# Allegro board STARRYSKY.brd (continued)
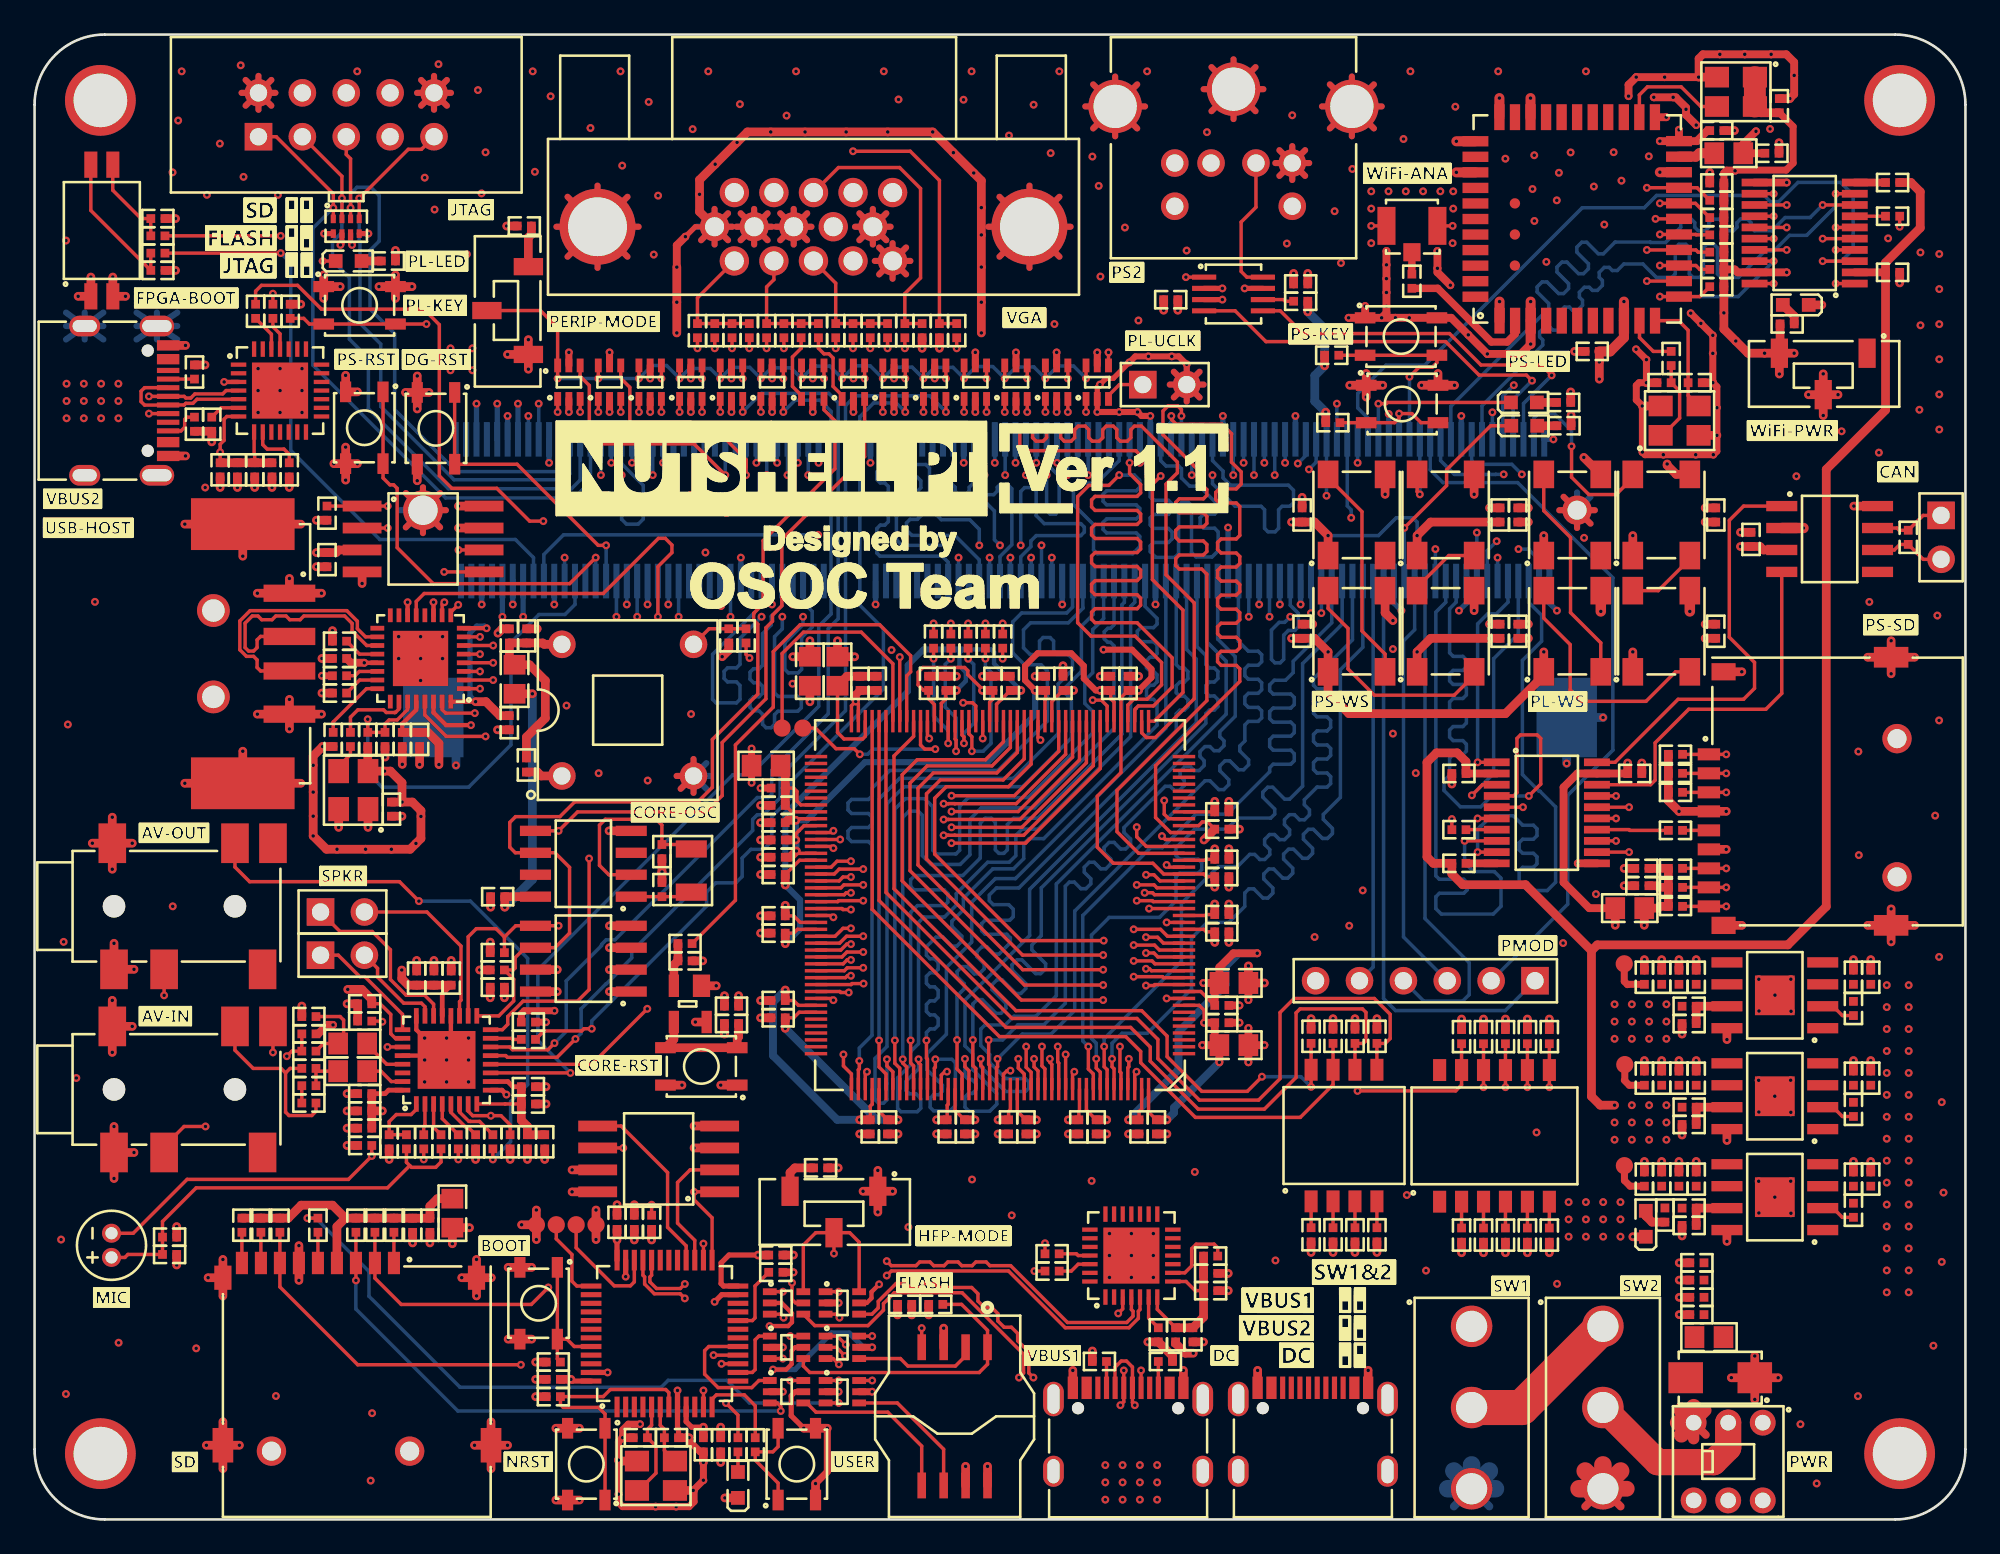
[diagram p0: board, top side]
## Library data of the parts
C1-C140 = CAPACITOR-NON-POL
D1 = TVS_DIODE_DOUBLE
F1 = FUSE
H1-H4 = FIXING-HOLE
J1 J3 J8 = USB_TYPEC
J2 = DIP8-4
J4 J6 = SD_MICRO
J5 = ACA-SPI-004-K02
J7 J15 J17 J19 = HEADER-2X1
J9 = HEADER-5X2
J10 = USB_STD_TYPEA
J11 = RF-IPEX-3PIN
J12 = HEADER-6X1
J13 = PS2
J14 = DE-15
J16 J18 = PJ-342
J20 = SODIMM-204
L1-L9 = MAGNETIC-BEAD
LED1-LED5 LED10 = LED
LED6-LED9 LED11-LED14 = WS2812C
MIC1 = MIC
R1-R133 = RESISTOR
RN1 = RESARR_IS_4
SW1 SW2 SW7 SW16 SW18 = SW-SLIDE-SPDT
SW3 = SW-KEY-LOCK-DPDT
SW4 = SW-DIP-4
SW5 = SW-DIP-6
SW6 SW8-SW11 SW13-SW15 SW17 = SW-KEY-4
SW12 = SW-DIP-2
TP1-TP9 = TEST_POINT
U1 U2 U4 = RT2515H
U3 = YSYX3-CHIP
U5 = MAX811SEUS
U6 U7 U9-U12 U25-U28 U30-U39 = WAS3157B
U8 U17 = CP2102
U13 = STM/CH32F103C8T6
U14 U24 = W25Q128JVSIQ
U15 = TJA1050
U16 U19 = TXS0108E
U18 = USB3320C
U20 = AP6212
U21 = AT24C64
U22 = TXS0102
U23 = PCF8563B
U29 = WM8960CGEFL/RV
X1 X4 = XTAL-CRY-4
X2 X3 = XTAL-OSC
X5 = XTAL-CRY-2

## Footprints (pads in the part's own frame, mm; a bottom-side part is the same pattern mirrored in y, then rotated)
ACA-SPI-004-K02-SM
  rect 0.5x1.5 smd: 1(1.905,4) 2(0.635,4) 3(-0.635,4) 4(-1.905,4) 5(-1.905,-4) 6(-0.635,-4) 7(0.635,-4) 8(1.905,-4)
AV-6-2R30X1R60-SM
  rect 2.3x1.6 smd: 2(-3.65,4.55) 3(3.65,4.65) 4(-3.65,1.65) 5(3.65,-2.45) 6(-3.65,-4.05) 7(3.65,-4.65)
  round 1.31 hole 1.3: 8(0,4.55) 9(0,-2.45)
C0402
  rect 0.51x0.51 smd: 1(-0.41,0) 2(0.41,0)
C0805
  rect 1.14x1.27 smd: 1(-0.84,0) 2(0.84,0)
DE-15-TM-RF
  round 1.7 hole 1.1: 1(4.581,1.98) 2(2.291,1.98) 3(0.001,1.98) 4(-2.289,1.98) 5(-4.579,1.98) 6(5.726,0) 7(3.436,0) 8(1.146,0) 9(-1.144,0) 10(-3.434,0) 11(4.581,-1.98) 12(2.291,-1.98) 13(0.001,-1.98) 14(-2.289,-1.98) 15(-4.579,-1.98)
  round 4.4 hole 3.4: 16(-12.5,0) 17(12.5,0)
DIP8-4-7R62X7R62
  round 1.6 hole 1: 1(-3.81,3.81) 4(-3.81,-3.81) 5(3.81,-3.81) 8(3.81,3.81)
DIP-SW-2-1R52X0R76-SM
  rect 0.76x1.52 smd: 1(-0.635,-3.81) 2(0.635,-3.81) 3(0.635,3.81) 4(-0.635,3.81)
DIP-SW-4-1R27X0R76-SM
  rect 0.76x1.27 smd: 1(-1.905,-3.81) 2(-0.635,-3.81) 3(0.635,-3.81) 4(1.905,-3.81) 5(1.905,3.81) 6(0.635,3.81) 7(-0.635,3.81) 8(-1.905,3.81)
DIP-SW-6-1R27X0R76-SM
  rect 0.76x1.27 smd: 1(-3.175,-3.81) 2(-1.905,-3.81) 3(-0.635,-3.81) 4(0.635,-3.81) 5(1.905,-3.81) 6(3.175,-3.81) 7(3.175,3.81) 8(1.905,3.81) 9(0.635,3.81) 10(-0.635,3.81) 11(-1.905,3.81) 12(-3.175,3.81)
HDR2X1-2R54-TM-VM
  rect 1.6x1.6 hole 1: 1(0,0)
  round 1.6 hole 1: 2(2.54,0)
HDR5X2-2R54-TM-VF
  rect 1.6x1.6 hole 1: 1(-5.08,-1.27)
  round 1.6 hole 1: 2(-5.08,1.27) 3(-2.54,-1.27) 4(-2.54,1.27) 5(0,-1.27) 6(0,1.27) 7(2.54,-1.27) 8(2.54,1.27) 9(5.08,-1.27) 10(5.08,1.27)
HDR6X1-2R54-TM-VM
  rect 1.6x1.6 hole 1: 1(0,0)
  round 1.6 hole 1: 2(2.54,0) 3(5.08,0) 4(7.62,0) 5(10.16,0) 6(12.7,0)
HOLE-3R10-4R10
  round 4.1 hole 3.1: 1(0,0)
IPEX-3-2R95-SM-VF
  rect 1x1.05 smd: 1(0,-1.525)
  rect 1.05x2.2 smd: 2(-1.475,0) 3(1.475,0)
L0805
  rect 1.14x1.27 smd: 1(-0.84,0) 2(0.84,0)
LED0603
  rect 0.8x0.8 smd: 1(0.75,0) 2(-0.75,0)
LED5050
  rect 1.6x1.2 smd: 1(-2.35,1.65) 2(-2.35,-1.65) 3(2.35,-1.65) 4(2.35,1.65)
LQFP-48-1R20X0R30
  rect 0.3x1.2 smd: 1(-2.75,-4.25) 2(-2.25,-4.25) 3(-1.75,-4.25) 4(-1.25,-4.25) 5(-0.75,-4.25) 6(-0.25,-4.25) 7(0.25,-4.25) 8(0.75,-4.25) 9(1.25,-4.25) 10(1.75,-4.25) 11(2.25,-4.25) 12(2.75,-4.25) 25(2.75,4.25) 26(2.25,4.25) 27(1.75,4.25) 28(1.25,4.25) 29(0.75,4.25) 30(0.25,4.25) 31(-0.25,4.25) 32(-0.75,4.25) 33(-1.25,4.25) 34(-1.75,4.25) 35(-2.25,4.25) 36(-2.75,4.25)
  rect 1.2x0.3 smd: 13(4.25,-2.75) 14(4.25,-2.25) 15(4.25,-1.75) 16(4.25,-1.25) 17(4.25,-0.75) 18(4.25,-0.25) 19(4.25,0.25) 20(4.25,0.75) 21(4.25,1.25) 22(4.25,1.75) 23(4.25,2.25) 24(4.25,2.75) 37(-4.25,2.75) 38(-4.25,2.25) 39(-4.25,1.75) 40(-4.25,1.25) 41(-4.25,0.75) 42(-4.25,0.25) 43(-4.25,-0.25) 44(-4.25,-0.75) 45(-4.25,-1.25) 46(-4.25,-1.75) 47(-4.25,-2.25) 48(-4.25,-2.75)
LQFP-176-1R30X0R20
  rect 0.2x1.3 smd: 1(-8.6,-10.65) 2(-8.2,-10.65) 3(-7.8,-10.65) 4(-7.4,-10.65) 5(-7,-10.65) 6(-6.6,-10.65) 7(-6.2,-10.65) 8(-5.8,-10.65) 9(-5.4,-10.65) 10(-5,-10.65) 11(-4.6,-10.65) 12(-4.2,-10.65) 13(-3.8,-10.65) 14(-3.4,-10.65) 15(-3,-10.65) 16(-2.6,-10.65) 17(-2.2,-10.65) 18(-1.8,-10.65) 19(-1.4,-10.65) 20(-1,-10.65) 21(-0.6,-10.65) 22(-0.2,-10.65) 23(0.2,-10.65) 24(0.6,-10.65) 25(1,-10.65) 26(1.4,-10.65) 27(1.8,-10.65) 28(2.2,-10.65) 29(2.6,-10.65) 30(3,-10.65) 31(3.4,-10.65) 32(3.8,-10.65) 33(4.2,-10.65) 34(4.6,-10.65) 35(5,-10.65) 36(5.4,-10.65) 37(5.8,-10.65) 38(6.2,-10.65) 39(6.6,-10.65) 40(7,-10.65) 41(7.4,-10.65) 42(7.8,-10.65) 43(8.2,-10.65) 44(8.6,-10.65) 89(8.6,10.65) 90(8.2,10.65) 91(7.8,10.65) 92(7.4,10.65) 93(7,10.65) 94(6.6,10.65) 95(6.2,10.65) 96(5.8,10.65) 97(5.4,10.65) 98(5,10.65) 99(4.6,10.65) 100(4.2,10.65) 101(3.8,10.65) 102(3.4,10.65) 103(3,10.65) 104(2.6,10.65) 105(2.2,10.65) 106(1.8,10.65) 107(1.4,10.65) 108(1,10.65) 109(0.6,10.65) 110(0.2,10.65) 111(-0.2,10.65) 112(-0.6,10.65) 113(-1,10.65) 114(-1.4,10.65) 115(-1.8,10.65) 116(-2.2,10.65) 117(-2.6,10.65) 118(-3,10.65) 119(-3.4,10.65) 120(-3.8,10.65) 121(-4.2,10.65) 122(-4.6,10.65) 123(-5,10.65) 124(-5.4,10.65) 125(-5.8,10.65) 126(-6.2,10.65) 127(-6.6,10.65) 128(-7,10.65) 129(-7.4,10.65) 130(-7.8,10.65) 131(-8.2,10.65) 132(-8.6,10.65)
  rect 1.3x0.2 smd: 45(10.65,-8.6) 46(10.65,-8.2) 47(10.65,-7.8) 48(10.65,-7.4) 49(10.65,-7) 50(10.65,-6.6) 51(10.65,-6.2) 52(10.65,-5.8) 53(10.65,-5.4) 54(10.65,-5) 55(10.65,-4.6) 56(10.65,-4.2) 57(10.65,-3.8) 58(10.65,-3.4) 59(10.65,-3) 60(10.65,-2.6) 61(10.65,-2.2) 62(10.65,-1.8) 63(10.65,-1.4) 64(10.65,-1) 65(10.65,-0.6) 66(10.65,-0.2) 67(10.65,0.2) 68(10.65,0.6) 69(10.65,1) 70(10.65,1.4) 71(10.65,1.8) 72(10.65,2.2) 73(10.65,2.6) 74(10.65,3) 75(10.65,3.4) 76(10.65,3.8) 77(10.65,4.2) 78(10.65,4.6) 79(10.65,5) 80(10.65,5.4) 81(10.65,5.8) 82(10.65,6.2) 83(10.65,6.6) 84(10.65,7) 85(10.65,7.4) 86(10.65,7.8) 87(10.65,8.2) 88(10.65,8.6) 133(-10.65,8.6) 134(-10.65,8.2) 135(-10.65,7.8) 136(-10.65,7.4) 137(-10.65,7) 138(-10.65,6.6) 139(-10.65,6.2) 140(-10.65,5.8) 141(-10.65,5.4) 142(-10.65,5) 143(-10.65,4.6) 144(-10.65,4.2) 145(-10.65,3.8) 146(-10.65,3.4) 147(-10.65,3) 148(-10.65,2.6) 149(-10.65,2.2) 150(-10.65,1.8) 151(-10.65,1.4) 152(-10.65,1) 153(-10.65,0.6) 154(-10.65,0.2) 155(-10.65,-0.2) 156(-10.65,-0.6) 157(-10.65,-1) 158(-10.65,-1.4) 159(-10.65,-1.8) 160(-10.65,-2.2) 161(-10.65,-2.6) 162(-10.65,-3) 163(-10.65,-3.4) 164(-10.65,-3.8) 165(-10.65,-4.2) 166(-10.65,-4.6) 167(-10.65,-5) 168(-10.65,-5.4) 169(-10.65,-5.8) 170(-10.65,-6.2) 171(-10.65,-6.6) 172(-10.65,-7) 173(-10.65,-7.4) 174(-10.65,-7.8) 175(-10.65,-8.2) 176(-10.65,-8.6)
MIC-2-TM
  round 1.1 hole 0.7: 1(-0.7,0) 2(0.7,0)
PS2-6-TM-VF
  round 1.6 hole 1: 1(-1.3,0.888) 2(1.3,0.888) 3(-3.4,0.888) 4(3.4,0.888) 5(-3.4,3.388) 6(3.4,3.388)
  round 3.1 hole 2.5: 7(0,-3.388) 8(-6.85,-2.39) 9(6.85,-2.39)
QFN-28-0R90X0R25
  rect 0.9x0.25 smd: 1(-2.4,1.5) 2(-2.4,1) 3(-2.4,0.5) 4(-2.4,0) 5(-2.4,-0.5) 6(-2.4,-1) 7(-2.4,-1.5) 15(2.4,-1.5) 16(2.4,-1) 17(2.4,-0.5) 18(2.4,0) 19(2.4,0.5) 20(2.4,1) 21(2.4,1.5)
  rect 0.25x0.9 smd: 8(-1.5,-2.4) 9(-1,-2.4) 10(-0.5,-2.4) 11(0,-2.4) 12(0.5,-2.4) 13(1,-2.4) 14(1.5,-2.4) 22(1.5,2.4) 23(1,2.4) 24(0.5,2.4) 25(0,2.4) 26(-0.5,2.4) 27(-1,2.4) 28(-1.5,2.4)
  rect 3.25x3.25 smd: 29(0,0)
QFN-32-0R80X0R28
  rect 0.8x0.28 smd: 1(-2.5,1.75) 2(-2.5,1.25) 3(-2.5,0.75) 4(-2.5,0.25) 5(-2.5,-0.25) 6(-2.5,-0.75) 7(-2.5,-1.25) 8(-2.5,-1.75) 17(2.5,-1.75) 18(2.5,-1.25) 19(2.5,-0.75) 20(2.5,-0.25) 21(2.5,0.25) 22(2.5,0.75) 23(2.5,1.25) 24(2.5,1.75)
  rect 0.28x0.8 smd: 9(-1.75,-2.5) 10(-1.25,-2.5) 11(-0.75,-2.5) 12(-0.25,-2.5) 13(0.25,-2.5) 14(0.75,-2.5) 15(1.25,-2.5) 16(1.75,-2.5) 25(1.75,2.5) 26(1.25,2.5) 27(0.75,2.5) 28(0.25,2.5) 29(-0.25,2.5) 30(-0.75,2.5) 31(-1.25,2.5) 32(-1.75,2.5)
  rect 3.2x3.2 smd: 33(0,0)
QFN-32-0R90X0R28
  rect 0.9x0.28 smd: 1(-2.55,1.75) 2(-2.55,1.25) 3(-2.55,0.75) 4(-2.55,0.25) 5(-2.55,-0.25) 6(-2.55,-0.75) 7(-2.55,-1.25) 8(-2.55,-1.75) 17(2.55,-1.75) 18(2.55,-1.25) 19(2.55,-0.75) 20(2.55,-0.25) 21(2.55,0.25) 22(2.55,0.75) 23(2.55,1.25) 24(2.55,1.75)
  rect 0.28x0.9 smd: 9(-1.75,-2.55) 10(-1.25,-2.55) 11(-0.75,-2.55) 12(-0.25,-2.55) 13(0.25,-2.55) 14(0.75,-2.55) 15(1.25,-2.55) 16(1.75,-2.55) 25(1.75,2.55) 26(1.25,2.55) 27(0.75,2.55) 28(0.25,2.55) 29(-0.25,2.55) 30(-0.75,2.55) 31(-1.25,2.55) 32(-1.75,2.55)
  rect 3.35x3.35 smd: 33(0,0)
QFN-44-1R50X0R60-TP
  rect 1.5x0.6 smd: 1(-5.89,4.496) 2(-5.89,3.596) 3(-5.89,2.696) 4(-5.89,1.796) 5(-5.89,0.896) 6(-5.89,-0.004) 7(-5.89,-0.904) 8(-5.89,-1.804) 9(-5.89,-2.704) 10(-5.89,-3.604) 11(-5.89,-4.504) 23(5.89,-4.496) 24(5.89,-3.596) 25(5.89,-2.696) 26(5.89,-1.796) 27(5.89,-0.896) 28(5.89,0.004) 29(5.89,0.904) 30(5.89,1.804) 31(5.89,2.704) 32(5.89,3.604) 33(5.89,4.504)
  rect 0.6x1.5 smd: 12(-4.496,-5.89) 13(-3.596,-5.89) 14(-2.696,-5.89) 15(-1.796,-5.89) 16(-0.896,-5.89) 17(0.004,-5.89) 18(0.904,-5.89) 19(1.804,-5.89) 20(2.704,-5.89) 21(3.604,-5.89) 22(4.504,-5.89) 34(4.496,5.89) 35(3.596,5.89) 36(2.696,5.89) 37(1.796,5.89) 38(0.896,5.89) 39(-0.004,5.89) 40(-0.904,5.89) 41(-1.804,5.89) 42(-2.704,5.89) 43(-3.604,5.89) 44(-4.504,5.89)
  round 0.6 smd: 45(-2.7,3.607) 46(-0.9,3.607) 47(0.9,3.607)
R0402
  rect 0.51x0.51 smd: 1(-0.41,0) 2(0.41,0)
RA-4-0402
  rect 0.3x0.5 smd: 1(-0.75,0.427) 2(-0.25,0.427) 3(0.25,0.427) 4(0.75,0.427) 5(0.75,-0.427) 6(0.25,-0.427) 7(-0.25,-0.427) 8(-0.75,-0.427)
SD-MICRO-9-SM
  rect 0.7x1.3 smd: 1(0,0) 2(-1.1,0) 3(-2.2,0) 4(-3.3,0) 5(-4.4,0) 6(-5.5,0) 7(-6.6,0) 8(-7.7,0) 9(-8.8,0)
  rect 1x1.4 smd: 10(-9.9,-0.85) 11(4.78,-0.85)
  rect 1.2x2 smd: 12(-9.9,-10.55) 13(5.62,-10.55)
  round 1.7 hole 1.1: 14(-7.09,-10.89) 15(0.91,-10.89)
SMA-2R00X1R80
  rect 2x1.8 smd: 1(-2,0) 2(2,0)
SODIMM-204-2R00X0R35
  rect 2x0.35 smd: 1(-4.1,31.5) 2(4.1,31.2) 3(-4.1,30.9) 4(4.1,30.6) 5(-4.1,30.3) 6(4.1,30) 7(-4.1,29.7) 8(4.1,29.4) 9(-4.1,29.1) 10(4.1,28.8) 11(-4.1,28.5) 12(4.1,28.2) 13(-4.1,27.9) 14(4.1,27.6) 15(-4.1,27.3) 16(4.1,27) 17(-4.1,26.7) 18(4.1,26.4) 19(-4.1,26.1) 20(4.1,25.8) 21(-4.1,25.5) 22(4.1,25.2) 23(-4.1,24.9) 24(4.1,24.6) 25(-4.1,24.3) 26(4.1,24) 27(-4.1,23.7) 28(4.1,23.4) 29(-4.1,23.1) 30(4.1,22.8) 31(-4.1,22.5) 32(4.1,22.2) 33(-4.1,21.9) 34(4.1,21.6) 35(-4.1,21.3) 36(4.1,21) 37(-4.1,20.7) 38(4.1,20.4) 39(-4.1,20.1) 40(4.1,19.8) 41(-4.1,19.5) 42(4.1,19.2) 43(-4.1,18.9) 44(4.1,18.6) 45(-4.1,18.3) 46(4.1,18) 47(-4.1,17.7) 48(4.1,17.4) 49(-4.1,17.1) 50(4.1,16.8) 51(-4.1,16.5) 52(4.1,16.2) 53(-4.1,15.9) 54(4.1,15.6) 55(-4.1,15.3) 56(4.1,15) 57(-4.1,14.7) 58(4.1,14.4) 59(-4.1,14.1) 60(4.1,13.8) 61(-4.1,13.5) 62(4.1,13.2) 63(-4.1,12.9) 64(4.1,12.6) 65(-4.1,12.3) 66(4.1,12) 67(-4.1,11.7) 68(4.1,11.4) 69(-4.1,11.1) 70(4.1,10.8) 71(-4.1,10.5) 72(4.1,10.2) 73(-4.1,7.5) 74(4.1,7.2) 75(-4.1,6.9) 76(4.1,6.6) 77(-4.1,6.3) 78(4.1,6) 79(-4.1,5.7) 80(4.1,5.4) 81(-4.1,5.1) 82(4.1,4.8) 83(-4.1,4.5) 84(4.1,4.2) 85(-4.1,3.9) 86(4.1,3.6) 87(-4.1,3.3) 88(4.1,3) 89(-4.1,2.7) 90(4.1,2.4) 91(-4.1,2.1) 92(4.1,1.8) 93(-4.1,1.5) 94(4.1,1.2) 95(-4.1,0.9) 96(4.1,0.6) 97(-4.1,0.3) 98(4.1,0) 99(-4.1,-0.3) 100(4.1,-0.6) 101(-4.1,-0.9) 102(4.1,-1.2) 103(-4.1,-1.5) 104(4.1,-1.8) 105(-4.1,-2.1) 106(4.1,-2.4) 107(-4.1,-2.7) 108(4.1,-3) 109(-4.1,-3.3) 110(4.1,-3.6) 111(-4.1,-3.9) 112(4.1,-4.2) 113(-4.1,-4.5) 114(4.1,-4.8) 115(-4.1,-5.1) 116(4.1,-5.4) 117(-4.1,-5.7) 118(4.1,-6) 119(-4.1,-6.3) 120(4.1,-6.6) 121(-4.1,-6.9) 122(4.1,-7.2) 123(-4.1,-7.5) 124(4.1,-7.8) 125(-4.1,-8.1) 126(4.1,-8.4) 127(-4.1,-8.7) 128(4.1,-9) 129(-4.1,-9.3) 130(4.1,-9.6) 131(-4.1,-9.9) 132(4.1,-10.2) 133(-4.1,-10.5) 134(4.1,-10.8) 135(-4.1,-11.1) 136(4.1,-11.4) 137(-4.1,-11.7) 138(4.1,-12) 139(-4.1,-12.3) 140(4.1,-12.6) 141(-4.1,-12.9) 142(4.1,-13.2) 143(-4.1,-13.5) 144(4.1,-13.8) 145(-4.1,-14.1) 146(4.1,-14.4) 147(-4.1,-14.7) 148(4.1,-15) 149(-4.1,-15.3) 150(4.1,-15.6) 151(-4.1,-15.9) 152(4.1,-16.2) 153(-4.1,-16.5) 154(4.1,-16.8) 155(-4.1,-17.1) 156(4.1,-17.4) 157(-4.1,-17.7) 158(4.1,-18) 159(-4.1,-18.3) 160(4.1,-18.6) 161(-4.1,-18.9) 162(4.1,-19.2) 163(-4.1,-19.5) 164(4.1,-19.8) 165(-4.1,-20.1) 166(4.1,-20.4) 167(-4.1,-20.7) 168(4.1,-21) 169(-4.1,-21.3) 170(4.1,-21.6) 171(-4.1,-21.9) 172(4.1,-22.2) 173(-4.1,-22.5) 174(4.1,-22.8) 175(-4.1,-23.1) 176(4.1,-23.4) 177(-4.1,-23.7) 178(4.1,-24) 179(-4.1,-24.3) 180(4.1,-24.6) 181(-4.1,-24.9) 182(4.1,-25.2) 183(-4.1,-25.5) 184(4.1,-25.8) 185(-4.1,-26.1) 186(4.1,-26.4) 187(-4.1,-26.7) 188(4.1,-27) 189(-4.1,-27.3) 190(4.1,-27.6) 191(-4.1,-27.9) 192(4.1,-28.2) 193(-4.1,-28.5) 194(4.1,-28.8) 195(-4.1,-29.1) 196(4.1,-29.4) 197(-4.1,-29.7) 198(4.1,-30) 199(-4.1,-30.3) 200(4.1,-30.6) 201(-4.1,-30.9) 202(4.1,-31.2) 203(-4.1,-31.5) 204(4.1,-31.8)
  rect 4.6x3.5 smd: MP1(12,32.8) MP2(12,-32.8)
  round 2.3 hole 1.7: MP3(0,33.4)
  round 1.7 hole 1.1: MP4(0,-33.4)
SOIC-8-1R40X0R30
  rect 1.4x0.3 smd: 1(-1.7,0.975) 2(-1.7,0.325) 3(-1.7,-0.325) 4(-1.7,-0.975) 5(1.7,-0.975) 6(1.7,-0.325) 7(1.7,0.325) 8(1.7,0.975)
SOIC-8-1R80X0R60
  rect 0.6x1.8 smd: 1(-1.905,-2.772) 2(-0.635,-2.772) 3(0.635,-2.772) 4(1.905,-2.772) 5(1.905,2.772) 6(0.635,2.772) 7(-0.635,2.772) 8(-1.905,2.772)
SOIC-8-1R80X0R60-THRM
  rect 0.6x1.8 smd: 1(-1.905,-2.772) 2(-0.635,-2.772) 3(0.635,-2.772) 4(1.905,-2.772) 5(1.905,2.772) 6(0.635,2.772) 7(-0.635,2.772) 8(-1.905,2.772)
  rect 2.3x2.3 smd: 9(0,0)
SOIC-8-2R25X0R63
  rect 0.63x2.25 smd: 1(-1.905,-3.53) 2(-0.635,-3.53) 3(0.635,-3.53) 4(1.905,-3.53) 5(1.905,3.53) 6(0.635,3.53) 7(-0.635,3.53) 8(-1.905,3.53)
SOT-143-4-1R30X0R60
  rect 1x1.3 smd: 1(-0.8,-1.05)
  rect 0.6x1.3 smd: 2(0.8,-1.05) 3(0.8,1.05) 4(-1.1,1.05)
SOT-363-6-0R80X0R40
  rect 0.4x0.8 smd: 1(-0.65,-0.97) 2(0,-0.97) 3(0.65,-0.97) 4(0.65,0.97) 5(0,0.97) 6(-0.65,0.97)
SW-3-1R70X1R00-J-SM
  rect 1x1.7 smd: 1(-2.54,-1.2) 2(0,1.2) 3(2.54,-1.2)
SW-3-12R7X6R6
  round 2.4 hole 1.8: 1(0,4.7) 2(0,0) 3(0,-4.7)
SW-4-1R20X0R65-SM
  rect 1.2x0.65 smd: 1(-2.078,1.083) 2(2.077,1.083) 3(-2.078,-1.083) 4(2.077,-1.083)
SW-6-LOCK-DPDT-TM
  round 1.5 hole 0.9: 1(-2,-2.25) 2(0,-2.25) 3(2,-2.25) 4(-2,2.25) 5(0,2.25) 6(2,2.25)
TP1X1-1R00-SM
  round 1 smd: 1(0,0)
TSSOP-20-1R50X0R45
  rect 1.5x0.45 smd: 1(-2.9,2.925) 2(-2.9,2.275) 3(-2.9,1.625) 4(-2.9,0.975) 5(-2.9,0.325) 6(-2.9,-0.325) 7(-2.9,-0.975) 8(-2.9,-1.625) 9(-2.9,-2.275) 10(-2.9,-2.925) 11(2.9,-2.925) 12(2.9,-2.275) 13(2.9,-1.625) 14(2.9,-0.975) 15(2.9,-0.325) 16(2.9,0.325) 17(2.9,0.975) 18(2.9,1.625) 19(2.9,2.275) 20(2.9,2.925)
USB-STD-TYPEA-4-SM
  rect 1x3 smd: 1(-3.5,0) 2(-1,0) 3(1,0) 4(3.5,0)
  rect 3x6 smd: 5(-7.5,-2.7) 6(7.5,-2.7)
  round 1.9 hole 1.3: 7(-2.5,-4.4) 8(2.5,-4.4)
USB-TYPEC-12-SM
  oval 1.2x2 hole 0.7x1.7: 1(-4.32,1.765) 2(4.32,1.765)
  oval 1.2x1.8 hole 0.7x1.4: 3(-4.32,-2.415) 4(4.32,-2.415)
  round 0.71 hole 0.7: 5(-2.9,1.235) 6(2.9,1.235)
  rect 0.6x1.3 smd: A1B12(-3.2,2.415) A4B9(-2.4,2.415) B1A12(3.2,2.415) B4A9(2.4,2.415)
  rect 0.3x1.3 smd: A5(-1.25,2.415) A6(-0.25,2.415) A7(0.25,2.415) A8(1.25,2.415) B5(1.75,2.415) B6(0.75,2.415) B7(-0.75,2.415) B8(-1.75,2.415)
XTAL-2-3R20X1R50-SM
  rect 1x1.8 smd: 1(-1.25,0) 2(1.25,0)
XTAL-4-3R20X2R50-SM
  rect 1.4x1.2 smd: 1(-1.1,-0.85) 2(1.1,-0.85) 3(1.1,0.85) 4(-1.1,0.85)

## Nets
5V_DC: J3.A4B9(VBUS#A4B9) J3.B4A9(VBUS#B4A9) SW2.3
5V_IN: C5.1 C6.1 C13.1 C15.1 C19.1 C20.1 C22.1 C23.1 C24.1 C25.1 C80.2 C102.1 C103.1 C104.1 C105.1 C110.1 C117.1 C118.1 C119.1 C120.1 F1.2 J10.1(VCC) J13.4 J20.1 J20.2 J20.3 J20.4 LED6.1(VDD) LED7.1(VDD) LED8.1(VDD) LED9.1(VDD) LED11.1(VDD) LED12.1(VDD) LED13.1(VDD) LED14.1(VDD) R4.1 R11.1 R13.1 R42.1 R43.1 R76.1 R77.1 R82.2 R127.1 U1.3(VIN) U2.3(VIN) U4.3(VIN) U15.3(VCC) U22.7(VCCB)
5V_VBUS1: J1.A4B9(VBUS#A4B9) J1.B4A9(VBUS#B4A9) SW1.1
5V_VBUS2: J8.A4B9(VBUS#A4B9) J8.B4A9(VBUS#B4A9) SW1.3
AGND: C121.2 C122.2 C123.1 C124.1 C125.1 C126.2 C127.2 C128.2 C132.1 C133.1 C134.1 C135.2 C140.1 J16.2 J16.3 J18.2 J18.3 R122.1 R125.2 R131.2 R133.2 U29.20(SPKGND2) U29.24(SPKGND1) U29.28(AGND) U29.33(GND_PADDLE)
AVCC_3V3: C121.1 C122.1 R121.1 R128.2 U29.32(AVDD)
GND: C1.2 C2.2 C3.2 C4.2 C5.2 C6.2 C7.2 C8.2 C9.2 C10.2 C11.2 C12.2 C13.2 C14.2 C15.2 C16.2 C17.2 C18.2 C19.2 C20.2 C21.2 C22.2 C23.2 C24.2 C25.2 C26.2 C27.2 C28.2 C29.2 C30.2 C31.2 C32.2 C33.2 C34.2 C35.2 C36.2 C37.2 C38.2 C39.2 C40.2 C41.2 C42.2 C43.2 C44.2 C45.2 C46.2 C47.2 C48.2 C49.2 C50.2 C51.2 C52.2 C53.2 C54.2 C55.2 C56.2 C57.2 C58.2 C59.2 C60.2 C61.2 C62.2 C65.2 C66.2 C67.2 C68.2 C69.2 C70.1 C71.2 C72.2 C73.1 C74.2 C75.1 C76.2 C77.2 C78.2 C79.1 C80.1 C81.2 C82.2 C83.1 C84.2 C85.2 C86.2 C87.1 C88.2 C89.2 C90.2 C91.2 C92.2 C93.2 C94.2 C95.1 C96.2 C98.2 C99.2 C100.2 C101.2 C102.2 C103.2 C104.2 C105.2 C106.2 C107.2 C108.2 C109.1 C110.2 C111.2 C112.2 C113.2 C114.2 C115.2 C116.2 C117.2 C118.2 C119.2 C120.2 D1.1 J1.1(EP1) J1.2(EP2) J1.3(EP3) J1.4(EP4) J1.A1B12(GND#A1B12) J1.B1A12(GND#B1A12) J2.4(GND) J3.1(EP1) J3.2(EP2) J3.3(EP3) J3.4(EP4) J3.A1B12(GND#A1B12) J3.B1A12(GND#B1A12) J4.6(VSS) J4.10(LP1) J4.11(LP2) J4.12(LP3) J4.13(LP4) J5.4(GND) J6.6(VSS) J6.10(LP1) J6.11(LP2) J6.12(LP3) J6.13(LP4) J8.1(EP1) J8.2(EP2) J8.3(EP3) J8.4(EP4) J8.A1B12(GND#A1B12) J8.B1A12(GND#B1A12) J9.2 J9.10 J10.4(GND) J10.5(LP1) J10.6(LP2) J11.2 J11.3 J13.3 J13.7 J13.8 J13.9 J14.5 J14.6 J14.7 J14.8 J14.10 J14.16 J14.17 J15.2 J20.5 J20.6 J20.9 J20.10 J20.11 J20.12 J20.13 J20.14 J20.19 J20.20 J20.37 J20.38 J20.55 J20.56 J20.73 J20.74 J20.91 J20.92 J20.109 J20.110 J20.127 J20.128 J20.141 J20.142 J20.155 J20.156 J20.173 J20.174 J20.187 J20.188 J20.203 J20.204 J20.MP1 J20.MP2 J20.MP3 J20.MP4 L5.2 LED1.2 LED2.2 LED5.2 LED6.3(VSS) LED7.3(VSS) LED8.3(VSS) LED9.3(VSS) LED11.3(VSS) LED12.3(VSS) LED13.3(VSS) LED14.3(VSS) R3.1 R5.2 R7.2 R10.2 R14.2 R16.2 R17.2 R21.2 R23.2 R33.2 R34.2 R36.2 R38.2 R40.2 R54.2 R59.2 R73.1 R74.2 R83.2 R87.1 R131.1 SW6.1 SW6.2 SW7.1 SW8.3 SW8.4 SW11.3 SW11.4 SW12.1(A1) SW12.2(A2) SW13.3 SW13.4 SW14.1 SW14.2 SW15.1 SW15.2 SW17.1 SW17.2 SW18.1 TP9.1 U1.8(GND#8) U1.9(GND#9) U2.8(GND#8) U2.9(GND#9) U3.9(VSS#9) U3.20(VSS#20) U3.28(VSS#28) U3.35(VSS#35) U3.51(VSS#51) U3.61(VSS#61) U3.69(VSS#69) U3.77(VSS#77) U3.100(PLL_DVSS12#100) U3.101(PLL_DVSS12#101) U3.102(VSS#102) U3.112(VSS#112) U3.124(VSS#124) U3.135(VSS#135) U3.146(VSS#146) U3.155(VSS#155) U3.165(VSS#165) U3.174(VSS#174) U4.8(GND#8) U4.9(GND#9) U5.1(GND) U6.2(GND) U7.2(GND) U8.3(GND#3) U8.29(GND#29) U9.2(GND) U10.2(GND) U11.2(GND) U12.2(GND) U13.8(VSSA) U13.23(VSS_1) U13.35(VSS_2) U13.47(VSS_3) U14.4(GND) U15.2(GND) U15.8(S) U16.11(GND) U17.3(GND#3) U17.29(GND#29) U18.33(GND) U19.11(GND) U20.1(GND#1) U20.3(GND#3) U20.20(GND#20) U20.31(GND#31) U20.33(GND#33) U20.34(BT_RST_N) U20.36(GND#36) U21.1(A0) U21.2(A1) U21.3(A2) U21.4(GND) U21.7(WP) U22.2(GND) U23.4(VSS) U24.4(GND) U25.2(GND) U26.2(GND) U27.2(GND) U28.2(GND) U29.9(DGND) U30.2(GND) U31.2(GND) U32.2(GND) U33.2(GND) U34.2(GND) U35.2(GND) U36.2(GND) U37.2(GND) U38.2(GND) U39.2(GND) X1.2(GND#2) X1.4(GND#4) X2.2(GND) X3.2(GND) X4.2(GND#2) X4.4(GND#4)
VCC_1V2: C16.1 C17.1 C18.1 C21.1 L3.1 R12.1 TP3.1 U4.6(VOUT)
VCC_1V8: C10.1 C11.1 C12.1 C14.1 C83.2 C90.1 C91.1 C92.1 C95.2 R9.1 R72.1 R91.1 TP2.1 U2.6(VOUT) U16.2(VCCA) U18.8(REFSEL0) U18.11(REFSEL1) U18.14(REFSEL2) U18.28(VDD18#28) U18.30(VDD18#30) U18.32(VDDIO) U19.2(VCCA)
VCC_3V3: C1.1 C2.1 C3.1 C4.1 C38.1 C70.2 C73.2 C75.2 C76.1 C77.1 C78.1 C79.2 C84.1 C89.1 C94.1 C108.1 C109.2 C112.1 C114.1 J5.3(WP#) J5.7(HOLD#) J5.8(VCC) J9.4 L1.2 L2.1 L4.2 L6.2 L7.2 L8.2 R1.1 R2.2 R15.1 R18.1 R19.1 R20.1 R22.1 R25.1 R31.1 R32.1 R35.1 R37.1 R39.1 R41.1 R56.1 R57.1 R60.2 R64.2 R79.1 R85.1 R86.1 R88.2 R89.2 R100.1 R101.1 R102.2 R103.2 R104.2 R105.1 R120.1 R121.2 R123.1 RN1.5 RN1.6 RN1.7 RN1.8 SW9.3 SW9.4 SW10.3 SW10.4 SW16.2 TP1.1 TP6.1 U1.6(VOUT) U5.4(VCC) U6.5(VCC) U7.5(VCC) U9.5(VCC) U10.5(VCC) U11.5(VCC) U12.5(VCC) U13.9(VDDA) U13.24(VDD_1) U13.36(VDD_2) U13.48(VDD_3) U14.3(W\P\) U14.7(H\O\L\D\) U14.8(VCC) U16.19(VCCB) U18.21(VBAT) U21.8(VCC) U22.3(VCCA) U23.8(VDD) U24.3(W\P\) U24.7(H\O\L\D\) U24.8(VCC) U25.5(VCC) U26.5(VCC) U27.5(VCC) U28.5(VCC) U30.5(VCC) U31.5(VCC) U32.5(VCC) U33.5(VCC) U34.5(VCC) U35.5(VCC) U36.5(VCC) U37.5(VCC) U38.5(VCC) U39.5(VCC) X2.1(OE) X2.4(VDD)
VCC_WIFI: C96.1 C99.1 C100.1 C106.1 R90.2 R92.2 R93.2 R94.2 R95.2 R97.2 R98.2 SW16.3 U19.19(VCCB) U20.9(BAT) U20.22(VDDIO) X3.1(OE) X3.4(VDD)
VDD: C39.1 C40.1 C41.1 C42.1 C43.1 C44.1 C45.1 C46.1 C47.1 C48.1 C49.1 C50.1 C55.1 C56.1 C57.1 C58.1 C59.1 C60.1 L3.2 U3.10(VDD#10) U3.21(VDD#21) U3.29(VDD#29) U3.36(VDD#36) U3.50(VDD#50) U3.60(VDD#60) U3.68(VDD#68) U3.76(VDD#76) U3.98(PLL_DVDD12#98) U3.99(PLL_DVDD12#99) U3.103(VDD#103) U3.113(VDD#113) U3.125(VDD#125) U3.136(VDD#136) U3.147(VDD#147) U3.156(VDD#156) U3.166(VDD#166) U3.175(VDD#175)
VDDIO: C26.1 C27.1 C28.1 C29.1 C30.1 C31.1 C32.1 C33.1 C34.1 C35.1 C36.1 C37.1 C51.1 C52.1 C53.1 C54.1 L2.2 U3.8(VDDIO#8) U3.19(VDDIO#19) U3.27(VDDIO#27) U3.34(VDDIO#34) U3.49(VDDIO#49) U3.59(VDDIO#59) U3.67(VDDIO#67) U3.75(VDDIO#75) U3.104(VDDIO#104) U3.114(VDDIO#114) U3.126(VDDIO#126) U3.137(VDDIO#137) U3.148(VDDIO#148) U3.157(VDDIO#157) U3.167(VDDIO#167) U3.176(VDDIO#176)
AUD_ADCDAT: U28.3(B0) U29.16(ADCDAT)
AUD_ADCLRC: R126.1 U25.3(B0)
AUD_BCLK: U27.3(B0) U29.12(BCLK)
AUD_DACDAT: U29.14(DACDAT) U30.3(B0)
AUD_DACLRC: U26.3(B0) U29.13(DACLRC)
AUD_MCLK: U29.11(MCLK) U31.3(B0)
CLK_SEL: R16.1 SW4.8(B1) U3.79(CLK_SEL)
CORE_DIP0: R40.1 SW5.7(B6) U3.66(CORE_DIP0)
CORE_DIP1: R38.1 SW5.8(B5) U3.65(CORE_DIP1)
CORE_DIP2: R36.1 SW5.9(B4) U3.64(CORE_DIP2)
CORE_DIP3: R34.1 SW5.10(B3) U3.63(CORE_DIP3)
CORE_DIP4: R33.1 SW5.11(B2) U3.62(CORE_DIP4)
FLASH_CLK: J5.6(CLK) U10.4(A)
FLASH_CS: J5.1(CS#) R56.2 U9.4(A)
FLASH_MISO: J5.2(DO) U12.4(A)
FLASH_MOSI: J5.5(DIO) U11.4(A)
FPGA_TCK: J9.1 J20.27 RN1.1
FPGA_TDI: J9.9 J20.23 RN1.4
FPGA_TDO: J9.3 J20.25 RN1.2
FPGA_TMS: J9.5 J20.21 RN1.3
HFP_BOOT0: R54.1 SW9.1 SW9.2 U13.44(BOOT0)
HFP_NRST: C71.1 SW8.1 SW8.2 U13.7(NRST)
HFP_PA2: R55.1 U13.12(PA2)
HFP_SPI1_CLK: U10.1(B1) U13.15(PA5)
HFP_SPI1_CS: U9.1(B1) U13.14(PA4)
HFP_SPI1_MISO: U12.1(B1) U13.16(PA6)
HFP_SPI1_MOSI: U11.1(B1) U13.17(PA7)
HFP_SPI2_CLK: U13.26(PB13) U14.6(CLK)
HFP_SPI2_CS: R57.2 U13.25(PB12) U14.1(C\S\)
HFP_SPI2_MISO: U13.27(PB14) U14.2(DO)
HFP_SPI2_MOSI: U13.28(PB15) U14.5(DI)
HFP_SWCLK: TP8.1 U13.37(PA14)
HFP_SWDIO: TP7.1 U13.34(PA13)
HFP_USB_DN: U7.1(B1) U13.32(PA11)
HFP_USB_DP: U6.1(B1) U13.33(PA12)
HP_JD: J18.7 R128.1 U29.7(RINPUT3/JD3)
IO34_0: J20.125 U3.46(CHIPLINK_RX_DATA06)
IO34_1_N: J20.88 U3.105(CHIPLINK_RX_DATA23)
IO34_1_P: J20.90 U3.106(CHIPLINK_RX_DATA22)
IO34_2_N: J20.63 U30.4(A)
IO34_2_P: J20.61 U37.4(A)
IO34_3_N: J20.53 U34.4(A)
IO34_3_P: J20.54 U3.123(CHIPLINK_RX_DATA08)
IO34_4_N: J20.96 U3.108(CHIPLINK_RX_DATA20)
IO34_4_P: J20.94 U3.107(CHIPLINK_RX_DATA21)
IO34_5_N: J20.58 U3.122(CHIPLINK_RX_DATA09)
IO34_5_P: J20.60 U3.121(CHIPLINK_RX_DATA10)
IO34_6_N: J20.67 U32.4(A)
IO34_6_P: J20.65 U31.4(A)
IO34_7_N: J20.99 U39.4(A)
IO34_7_P: J20.97 U28.4(A)
IO34_8_N: J20.93 U26.4(A)
IO34_8_P: J20.95 U27.4(A)
IO34_9_N: J20.113 U3.54(CHIPLINK_RX_DATA01)
IO34_9_P: J20.111 U3.55(CHIPLINK_RX_DATA00)
IO34_10_N: J20.118 U3.140(CHIPLINK_RX_DATA28)
IO34_10_P: J20.116 U3.139(CHIPLINK_RX_DATA27)
IO34_11_N: J20.107 U3.56(CHIPLINK_RX_SEND)
IO34_11_P: J20.105 U3.57(CHIPLINK_RX_RST)
IO34_12_N: J20.121 U3.48(CHIPLINK_RX_DATA04)
IO34_13_N: J20.106 U3.116(CHIPLINK_RX_DATA15)
IO34_13_P: J20.108 U3.133(CHIPLINK_RX_DATA24)
IO34_14_N: J20.143 U3.23(CHIPLINK_TX_DATA27)
IO34_14_P: J20.145 U3.22(CHIPLINK_TX_DATA26)
IO34_15_N: J20.137 U3.25(CHIPLINK_TX_DATA29)
IO34_15_P: J20.139 U3.24(CHIPLINK_TX_DATA28)
IO34_16_N: J20.133 U3.30(CHIPLINK_TX_DATA31)
IO34_16_P: J20.135 U3.26(CHIPLINK_TX_DATA30)
IO34_17_N: J20.131 U3.33(INTERRUPT)
IO34_17_P: J20.129 U3.45(CHIPLINK_RX_DATA07)
IO34_18_N: J20.132 U3.149(CHIPLINK_TX_SEND)
IO34_18_P: J20.130 U3.145(CHIPLINK_TX_RST)
IO34_19_N: J20.104 U3.115(CHIPLINK_RX_DATA16)
IO34_19_P: J20.102 U3.111(CHIPLINK_RX_DATA17)
IO34_20_N: J20.66 U3.118(CHIPLINK_RX_DATA13)
IO34_20_P: J20.68 U3.117(CHIPLINK_RX_DATA14)
IO34_21_N: J20.136 U3.151(CHIPLINK_TX_DATA01)
IO34_21_P: J20.134 U3.150(CHIPLINK_TX_DATA00)
IO34_22_N: J20.117 U3.52(CHIPLINK_RX_DATA03)
IO34_22_P: J20.115 U3.53(CHIPLINK_RX_DATA02)
IO34_23_N: J20.101 U38.4(A)
IO34_23_P: J20.103 U3.58(CHIPLINK_RX_CLK)
IO34_24_N: J20.62 U3.120(CHIPLINK_RX_DATA11)
IO34_24_P: J20.64 U3.119(CHIPLINK_RX_DATA12)
IO34_25: J20.123 U3.47(CHIPLINK_RX_DATA05)
IO35_3_N: J20.166 U3.170(CHIPLINK_TX_DATA14)
IO35_3_P: J20.168 U3.171(CHIPLINK_TX_DATA15)
IO35_5_N: J20.167 U3.172(CHIPLINK_TX_DATA16)
IO35_5_P: J20.165 U3.173(CHIPLINK_TX_DATA17)
IO35_6_N: J20.164 U3.169(CHIPLINK_TX_DATA13)
IO35_6_P: J20.162 U3.168(CHIPLINK_TX_DATA12)
IO35_7_N: J20.149 U3.17(CHIPLINK_TX_DATA24)
IO35_7_P: J20.147 U3.18(CHIPLINK_TX_DATA25)
IO35_8_N: J20.71 U25.4(A)
IO35_8_P: J20.69 U33.4(A)
IO35_9_N: J20.153 U3.15(CHIPLINK_TX_DATA22)
IO35_9_P: J20.151 U3.16(CHIPLINK_TX_DATA23)
IO35_10_N: J20.140 U3.153(CHIPLINK_TX_DATA03)
IO35_10_P: J20.138 U3.152(CHIPLINK_TX_DATA02)
IO35_11_N: J20.114 U3.138(CHIPLINK_RX_DATA26)
IO35_11_P: J20.112 U3.134(CHIPLINK_RX_DATA25)
IO35_12_N: J20.126 U3.144(CHIPLINK_TX_CLK)
IO35_12_P: J20.124 U3.143(CHIPLINK_RX_DATA31)
IO35_13_N: J20.59 U36.4(A)
IO35_13_P: J20.57 U35.4(A)
IO35_14_N: J20.146 U3.158(CHIPLINK_TX_DATA05)
IO35_14_P: J20.144 U3.154(CHIPLINK_TX_DATA04)
IO35_15_N: J20.199 U22.5(A1)
IO35_15_P: J20.201 LED12.4(DIN)
IO35_17_N: J20.159 U3.13(CHIPLINK_TX_DATA20)
IO35_17_P: J20.157 U3.14(CHIPLINK_TX_DATA21)
IO35_18_N: J20.195 R104.1 SW17.3 SW17.4
IO35_18_P: J20.197 U22.4(A2)
IO35_19_N: J20.161 U3.12(CHIPLINK_TX_DATA19)
IO35_19_P: J20.163 U3.11(CHIPLINK_TX_DATA18)
IO35_20_N: J20.158 U3.163(CHIPLINK_TX_DATA10)
IO35_20_P: J20.160 U3.164(CHIPLINK_TX_DATA11)
IO35_21_N: J20.100 U3.110(CHIPLINK_RX_DATA18)
IO35_21_P: J20.98 U3.109(CHIPLINK_RX_DATA19)
IO35_22_N: J20.152 U3.161(CHIPLINK_TX_DATA08)
IO35_22_P: J20.154 U3.162(CHIPLINK_TX_DATA09)
IO35_23_N: J20.150 U3.160(CHIPLINK_TX_DATA07)
IO35_23_P: J20.148 U3.159(CHIPLINK_TX_DATA06)
IO35_24_N: J20.122 U3.142(CHIPLINK_RX_DATA30)
IO35_24_P: J20.120 U3.141(CHIPLINK_RX_DATA29)
MAIN_DN: J1.A7(DN1) J1.B7(DN2) U7.4(A)
MAIN_DP: J1.A6(DP1) J1.B6(DP2) U6.4(A)
OSC_IN: R6.2 U3.81(CLK/XIN)
PL_I2C_SCL: R102.1 U21.6(SCL) U23.6(SCL) U29.17(SCLK) U32.3(B0)
PL_I2C_SDA: R103.1 U21.5(SDA) U23.5(SDA) U29.18(SDIN) U33.3(B0)
PL_SPI_CLK: U24.6(CLK) U37.3(B0)
PL_SPI_CS: R105.2 U24.1(C\S\) U34.3(B0)
PL_SPI_MISO: U24.2(DO) U35.3(B0)
PL_SPI_MOSI: U24.5(DI) U36.3(B0)
PL_SW_SEL: SW18.2 U25.6(SEL) U26.6(SEL) U27.6(SEL) U28.6(SEL) U30.6(SEL) U31.6(SEL) U32.6(SEL) U33.6(SEL) U34.6(SEL) U35.6(SEL) U36.6(SEL) U37.6(SEL) U38.6(SEL) U39.6(SEL)
PL_UCLK: J15.1 U38.3(B0)
PL_ULED: LED10.2 U39.3(B0)
PLL_AVDD33: C61.1 C62.1 L4.1 U3.96(PLL_AVDD33#96) U3.97(PLL_AVDD33#97)
PLL_CFG0: R23.1 SW4.5(B4) U3.83(PLL_CFG_0)
PLL_CFG1: R21.1 SW4.6(B3) U3.84(PLL_CFG_1)
PLL_CFG2: R17.1 SW4.7(B2) U3.85(PLL_CFG_2)
PLLIO_AVDD33: C63.1 C64.1 L6.1 U3.86(PLL_IO_AVDD33)
PLLIO_GND: C63.2 C64.2 L5.1 U3.87(PLL_IO_AVSS33) U3.88(PLL_AVSS33)
PROG_SW_SEL: SW7.2 U6.6(SEL) U7.6(SEL) U9.6(SEL) U10.6(SEL) U11.6(SEL) U12.6(SEL)
PS2_CLK: J13.5 U22.1(B2)
PS2_DAT: J13.1 U22.8(B1)
PS_CAN_RX: U15.4(RXD) U16.18(B2)
PS_CAN_TX: U15.1(TXD) U16.20(B1)
PS_MIO0: J6.9(CD) J20.18 R71.2
PS_MIO7: C87.2 J20.24 R79.2 U18.27(RESETB)
PS_MIO8: J20.17 R78.2
PS_MIO9: J20.22 R80.2
PS_MIO16: J20.176 LED3.2
PS_MIO17: J20.171 LED4.2
PS_MIO18: J20.175 R88.1 SW14.3 SW14.4
PS_MIO19: J20.177 R89.1 SW15.3 SW15.4
PS_MIO20: J20.179 LED6.4(DIN)
PS_MIO21: J12.1 J20.172
PS_MIO22: J12.2 J20.181
PS_MIO23: J12.3 J20.178
PS_MIO24: J12.4 J20.180
PS_MIO25: J12.5 J20.170
PS_MIO26: J20.182 U19.1(A1)
PS_MIO27: J20.169 U19.3(A2)
PS_MIO28: J20.42 U18.7(DATA4)
PS_MIO29: J20.36 U18.31(DIR)
PS_MIO30: J20.44 U18.29(STP)
PS_MIO31: J20.41 U18.2(NXT)
PS_MIO32: J20.34 U18.3(DATA0)
PS_MIO33: J20.31 U18.4(DATA1)
PS_MIO34: J20.32 U18.5(DATA2)
PS_MIO35: J20.39 U18.6(DATA3)
PS_MIO36: J20.29 U18.1(CLKOUT)
PS_MIO37: J20.35 U18.9(DATA5)
PS_MIO38: J20.33 U18.10(DATA6)
PS_MIO39: J20.40 U18.13(DATA7)
PS_MIO40: J20.183 R75.1
PS_MIO41: J20.193 U16.6(A5)
PS_MIO42: J20.184 U16.8(A7)
PS_MIO43: J20.200 U16.9(A8)
PS_MIO44: J20.186 U16.4(A3)
PS_MIO45: J20.189 U16.5(A4)
PS_MIO46: J20.185 U19.8(A7)
PS_MIO47: J20.190 U19.6(A5)
PS_MIO48: J20.194 R96.1
PS_MIO49: J20.191 U19.9(A8)
PS_MIO50: J20.192 U19.4(A3)
PS_MIO51: J20.202 U19.5(A4)
PS_MIO52: J20.196 U16.1(A1)
PS_MIO53: J20.198 U16.3(A2)
PS_SD_CLK: R66.1 U16.14(B6)
PS_SD_CMD: J6.3(CMD) R62.2 U16.15(B5)
PS_SD_D0: J6.7(DAT0) R67.2 U16.13(B7)
PS_SD_D1: J6.8(DAT1) R69.2 U16.12(B8)
PS_SD_D2: J6.1(DAT2) R63.2 U16.17(B3)
PS_SD_D3: J6.2(CD/DAT3) R61.2 U16.16(B4)
PS_SRST_B: J20.30 SW11.1 SW11.2
PS_UART_DN: J8.A7(DN1) J8.B7(DN2) U17.5(D-)
PS_UART_DP: J8.A6(DP1) J8.B6(DP2) U17.4(D+)
PS_USB_DN: J10.2(D-) U18.19(DM)
PS_USB_DP: J10.3(D+) U18.18(DP)
PS_WF_CLK: U19.14(B6) U20.17(SDIO_DATA_CLK)
PS_WF_CMD: R95.1 U19.15(B5) U20.16(SDIO_DATA_CMD)
PS_WF_D0: R97.1 U19.13(B7) U20.18(SDIO_DATA_0)
PS_WF_D1: R98.1 U19.12(B8) U20.19(SDIO_DATA_1)
PS_WF_D2: R93.1 U19.17(B3) U20.14(SDIO_DATA_2)
PS_WF_D3: R94.1 U19.16(B4) U20.15(SDIO_DATA_3)
PS_WF_REG_ON: R92.1 U19.18(B2) U20.12(WL_REG_ON)
PS_WF_WAKE: U19.20(B1) U20.13(WL_HOST_WAKE)
QSPI_D2: J20.15 R70.2
QSPI_D3: J20.16 R68.2
RESET_POR: J20.28 SW13.1 SW13.2
SPI_CLK: R30.2 R47.1 U10.3(B0)
SPI_CS0: R29.2 U9.3(B0)
SPI_CS1: J4.2(CD/DAT3) R28.2 R45.2
SPI_MISO: J4.7(DAT0) R26.2 R48.2 U12.3(B0)
SPI_MOSI: J4.3(CMD) R27.2 R46.2 U11.3(B0)
SYS_RST: R24.1 U3.80(RST)
VGA_B: J14.3 R106.2 R108.2 R109.2 R111.2
VGA_B0: R106.1 U25.1(B1)
VGA_B1: R108.1 U26.1(B1)
VGA_B2: R109.1 U27.1(B1)
VGA_B3: R111.1 U28.1(B1)
VGA_G: J14.2 R112.2 R113.2 R114.2 R115.2
VGA_G0: R112.1 U30.1(B1)
VGA_G1: R113.1 U31.1(B1)
VGA_G2: R114.1 U32.1(B1)
VGA_G3: R115.1 U33.1(B1)
VGA_HSYNC: R110.2 U39.1(B1)
VGA_R: J14.1 R116.2 R117.2 R118.2 R119.2
VGA_R0: R116.1 U34.1(B1)
VGA_R1: R117.1 U35.1(B1)
VGA_R2: R118.1 U36.1(B1)
VGA_R3: R119.1 U37.1(B1)
VGA_VSYNC: R107.2 U38.1(B1)
YSYX_UART_DN: U7.3(B0) U8.5(D-)
YSYX_UART_DP: U6.3(B0) U8.4(D+)
YSYX_UART_RX: R49.2 U3.31(UART_RX)
YSYX_UART_TX: R50.2 U3.32(UART_TX)
N00440: R1.2 R7.1 U1.7(ADJ)
N09341: R18.2 R24.2 U5.2(R\E\S\E\T\)
N12849: R25.2 SW6.3 SW6.4 U5.3(M\R\)
N20091: R26.1 U3.70(SPI_MISO)
N20140: R27.1 U3.71(SPI_MOSI)
N20190: R28.1 U3.72(SPI_CS_1)
N20241: R29.1 U3.73(SPI_CS_0)
N20293: R30.1 U3.74(SPI_CLK)
N20346: TP4.1 U3.78(CLK4DIV_OUT)
N020480: LED1.1 R2.1
N20568: TP5.1 U3.82(CLK/XOUT)
N47247: C8.1 C9.1 J2.8(VDD) L1.1 R8.2
N86942: J4.1(DAT2) R44.2
N86952: C68.1 C69.1 J4.4(VDD) L7.1 R44.1 R45.1 R46.1 R48.1 R51.1 R52.1
N87161: J4.8(DAT1) R51.2
N87165: J4.9(CD) R52.2
N88472: J4.5(CLK) R47.2
N105628: R50.1 U8.25(RXD)
N109895: R37.2 SW5.5(A5)
N109899: R39.2 SW5.6(A6)
N122427: R49.1 U8.26(TXD)
N125522: C65.1 C66.1 R42.2 R43.2 R53.1 U8.7(REGIN) U8.8(VBUS)
N129276: C67.1 U8.6(VDD)
N130573: R53.2 U8.9(R\S\T\)
N266605: C7.1 J2.5(OUT) R6.1
N270643: J2.1(ED) R8.1
N423791: R64.1 R68.1 SW12.4(B1)
N423795: R60.1 R70.1 SW12.3(B2)
N429557: R126.2 U29.15(ADCLRC/GPIO1)
N429653: J19.1 U29.22(SPK_RP)
N429657: J19.2 U29.19(SPK_RN)
N429811: C126.1 C127.1 C128.1 R123.2 U29.8(DCVDD) U29.10(DBVDD)
N431069: J8.A5(CC1) R73.2
N431077: J8.B5(CC2) R74.1
